# KiCad board demomatrix.kicad_pcb (continued)
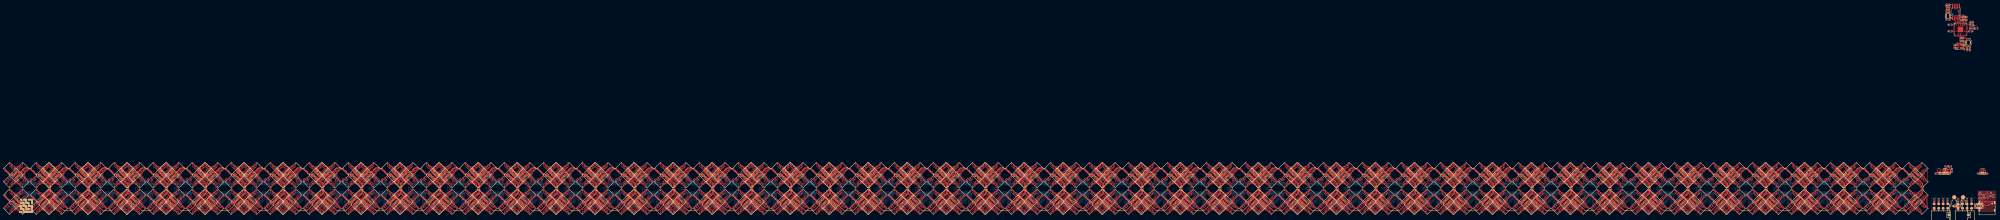
[diagram p0: board, top side]
## Routing (per net, layer and track width the routed paths; a pad name or vN(x,y) marks a point on that pad's centre or on a via; arc(x,y) is an arc through that point) (continued)
rgbs[2]-anodes-anode-416: length 9.5
  Top w0.2: LED531.4 -502.26,17.77 -502.88,17.77 -504.55,19.44 -504.55,19.69 -503.87,20.36 -503.87,20.82 -504.55,21.5 -504.55,21.75 -503.07,23.22 -502.43,23.22 -502.42,23.22 -502.07,23.22 LED530.3
rgbs[2]-anodes-anode-417: length 12.3
  Top w0.2: -501.51,17.12 -502.79,17.12 -504.95,19.28 -504.95,19.86 -504.27,20.53 -504.27,20.66 -504.95,21.33 -504.95,21.91 -502.78,24.08 -501.23,24.08 LED530.1
rgbs[2]-anodes-anode-418: length 3.7
  Top w0.2: LED530.5 -502.72,22.18 -502.72,21.16 -503.07,20.81 -503.07,20.37 -502.72,20.02 -502.72,19.02 LED531.6
rgbs[2]-anodes-anode-419: length 1.8
  Top w0.2: LED530.7 -503.47,21.23 -503.47,19.96 LED531.8
rgbs[2]-anodes-anode-420: length 9.5
  Top w0.2: LED535.4 -487.26,17.77 -487.88,17.77 -489.55,19.44 -489.55,19.69 -488.87,20.36 -488.87,20.82 -489.55,21.5 -489.55,21.75 -488.07,23.22 -487.43,23.22 -487.42,23.22 -487.07,23.22 LED534.3
rgbs[2]-anodes-anode-421: length 19.4
  Top w0.2: -486.51,17.12 -487.79,17.12 -489.95,19.28 -489.95,19.86 -489.27,20.53 -489.27,20.66 -489.95,21.33 -489.95,21.91 -487.78,24.08 -486.23,24.08 LED534.1 -485.73,23.58 -485.73,17.61 LED535.2
rgbs[2]-anodes-anode-422: length 3.7
  Top w0.2: LED535.6 -487.72,19.02 -487.72,20.02 -488.07,20.37 -488.07,20.81 -487.72,21.16 -487.72,22.18 LED534.5
rgbs[2]-anodes-anode-423: length 1.8
  Top w0.2: LED534.7 -488.47,21.23 -488.47,19.96 LED535.8
rgbs[2]-anodes-anode-424: length 9.5
  Top w0.2: LED539.4 -502.26,2.77 -502.88,2.77 -504.55,4.44 -504.55,4.69 -503.87,5.36 -503.87,5.82 -504.55,6.5 -504.55,6.75 -503.07,8.22 -502.43,8.22 -502.42,8.22 -502.07,8.22 LED538.3
rgbs[2]-anodes-anode-425: length 12.3
  Top w0.2: LED538.1 -501.23,9.08 -502.78,9.08 -504.95,6.91 -504.95,6.33 -504.27,5.66 -504.27,5.53 -504.95,4.86 -504.95,4.28 -502.79,2.12 -501.51,2.12
rgbs[2]-anodes-anode-426: length 3.7
  Top w0.2: LED539.6 -502.72,4.02 -502.72,5.02 -503.07,5.37 -503.07,5.81 -502.72,6.16 -502.72,7.18 LED538.5
rgbs[2]-anodes-anode-427: length 1.8
  Top w0.2: LED538.7 -503.47,6.23 -503.47,4.96 LED539.8
rgbs[2]-anodes-anode-428: length 14.9
  Top w0.2: -487.07,8.22 LED542.3 -486.58,7.73 -486.58,3.46 LED543.4 -487.26,2.77 -487.88,2.77 -489.55,4.44 -489.55,4.69 -488.87,5.36 -488.87,5.82 -489.55,6.5 -489.55,6.75 -488.07,8.22 -487.43,8.22 -487.42,8.22 -487.07,8.22
rgbs[2]-anodes-anode-429: length 19.4
  Top w0.2: -486.51,2.12 -487.79,2.12 -489.95,4.28 -489.95,4.86 -489.27,5.53 -489.27,5.66 -489.95,6.33 -489.95,6.91 -487.78,9.08 -486.23,9.08 LED542.1 -485.73,8.58 -485.73,2.61 LED543.2
rgbs[2]-anodes-anode-430: length 3.7
  Top w0.2: LED543.6 -487.72,4.02 -487.72,5.02 -488.07,5.37 -488.07,5.81 -487.72,6.16 -487.72,7.18 LED542.5
rgbs[2]-anodes-anode-431: length 1.8
  Top w0.2: LED543.8 -488.47,4.96 -488.47,6.23 LED542.7
rgbs[2]-anodes-anode-432: length 9.5
  Top w0.2: LED547.4 -480.26,17.77 -480.88,17.77 -482.55,19.44 -482.55,19.69 -481.87,20.36 -481.87,20.82 -482.55,21.5 -482.55,21.75 -481.07,23.22 -480.43,23.22 -480.42,23.22 -480.07,23.22 LED546.3
rgbs[2]-anodes-anode-433: length 12.3
  Top w0.2: LED546.1 -479.23,24.08 -480.78,24.08 -482.95,21.91 -482.95,21.33 -482.27,20.66 -482.27,20.53 -482.95,19.86 -482.95,19.28 -480.79,17.12 -479.51,17.12
rgbs[2]-anodes-anode-434: length 3.7
  Top w0.2: LED546.5 -480.72,22.18 -480.72,21.16 -481.07,20.81 -481.07,20.37 -480.72,20.02 -480.72,19.02 LED547.6
rgbs[2]-anodes-anode-435: length 1.8
  Top w0.2: LED546.7 -481.47,21.23 -481.47,19.96 LED547.8
rgbs[2]-anodes-anode-436: length 9.5
  Top w0.2: LED550.3 -465.07,23.22 -465.42,23.22 -465.43,23.22 -466.07,23.22 -467.55,21.75 -467.55,21.5 -466.87,20.82 -466.87,20.36 -467.55,19.69 -467.55,19.44 -465.88,17.77 -465.26,17.77 LED551.4
rgbs[2]-anodes-anode-437: length 19.4
  Top w0.2: LED551.2 -463.73,17.61 -463.73,23.58 LED550.1 -464.23,24.08 -465.78,24.08 -467.95,21.91 -467.95,21.33 -467.27,20.66 -467.27,20.53 -467.95,19.86 -467.95,19.28 -465.79,17.12 -464.51,17.12
rgbs[2]-anodes-anode-438: length 3.7
  Top w0.2: LED551.6 -465.72,19.02 -465.72,20.02 -466.07,20.37 -466.07,20.81 -465.72,21.16 -465.72,22.18 LED550.5
rgbs[2]-anodes-anode-439: length 1.8
  Top w0.2: LED551.8 -466.47,19.96 -466.47,21.23 LED550.7
rgbs[2]-anodes-anode-440: length 9.5
  Top w0.2: LED555.4 -480.26,2.77 -480.88,2.77 -482.55,4.44 -482.55,4.69 -481.87,5.36 -481.87,5.82 -482.55,6.5 -482.55,6.75 -481.07,8.22 -480.43,8.22 -480.42,8.22 -480.07,8.22 LED554.3
rgbs[2]-anodes-anode-441: length 12.3
  Top w0.2: -479.51,2.12 -480.79,2.12 -482.95,4.28 -482.95,4.86 -482.27,5.53 -482.27,5.66 -482.95,6.33 -482.95,6.91 -480.78,9.08 -479.23,9.08 LED554.1
rgbs[2]-anodes-anode-442: length 3.7
  Top w0.2: LED555.6 -480.72,4.02 -480.72,5.02 -481.07,5.37 -481.07,5.81 -480.72,6.16 -480.72,7.18 LED554.5
rgbs[2]-anodes-anode-443: length 1.8
  Top w0.2: LED555.8 -481.47,4.96 -481.47,6.23 LED554.7
rgbs[2]-anodes-anode-444: length 14.9
  Top w0.2: -466.07,8.22 -465.43,8.22 -465.42,8.22 -465.07,8.22 LED558.3 -464.58,7.73 -464.58,3.46 LED559.4 -465.26,2.77 -465.88,2.77 -467.55,4.44 -467.55,4.69 -466.87,5.36 -466.87,5.82 -467.55,6.5 -467.55,6.75 -466.07,8.22
rgbs[2]-anodes-anode-445: length 19.4
  Top w0.2: LED559.2 -463.73,2.61 -463.73,8.58 LED558.1 -464.23,9.08 -465.78,9.08 -467.95,6.91 -467.95,6.33 -467.27,5.66 -467.27,5.53 -467.95,4.86 -467.95,4.28 -465.79,2.12 -464.51,2.12
rgbs[2]-anodes-anode-446: length 3.7
  Top w0.2: LED558.5 -465.72,7.18 -465.72,6.16 -466.07,5.81 -466.07,5.37 -465.72,5.02 -465.72,4.02 LED559.6
rgbs[2]-anodes-anode-447: length 1.8
  Top w0.2: LED558.7 -466.47,6.23 -466.47,4.96 LED559.8
rgbs[2]-anodes-anode-448: length 9.5
  Top w0.2: LED562.3 -458.07,23.22 -458.42,23.22 -458.43,23.22 -459.07,23.22 -460.55,21.75 -460.55,21.5 -459.87,20.82 -459.87,20.36 -460.55,19.69 -460.55,19.44 -458.88,17.77 -458.26,17.77 LED563.4
rgbs[2]-anodes-anode-449: length 12.3
  Top w0.2: LED562.1 -457.23,24.08 -458.78,24.08 -460.95,21.91 -460.95,21.33 -460.27,20.66 -460.27,20.53 -460.95,19.86 -460.95,19.28 -458.79,17.12 -457.51,17.12
rgbs[2]-anodes-anode-450: length 3.7
  Top w0.2: LED562.5 -458.72,22.18 -458.72,21.16 -459.07,20.81 -459.07,20.37 -458.72,20.02 -458.72,19.02 LED563.6
rgbs[2]-anodes-anode-451: length 1.8
  Top w0.2: LED563.8 -459.47,19.96 -459.47,21.23 LED562.7
rgbs[2]-anodes-anode-452: length 9.5
  Top w0.2: LED567.4 -443.26,17.77 -443.88,17.77 -445.55,19.44 -445.55,19.69 -444.87,20.36 -444.87,20.82 -445.55,21.5 -445.55,21.75 -444.07,23.22 -443.43,23.22 -443.42,23.22 -443.07,23.22 LED566.3
rgbs[2]-anodes-anode-453: length 19.4
  Top w0.2: LED567.2 -441.73,17.61 -441.73,23.58 LED566.1 -442.23,24.08 -443.78,24.08 -445.95,21.91 -445.95,21.33 -445.27,20.66 -445.27,20.53 -445.95,19.86 -445.95,19.28 -443.79,17.12 -442.51,17.12
rgbs[2]-anodes-anode-454: length 3.7
  Top w0.2: LED567.6 -443.72,19.02 -443.72,20.02 -444.07,20.37 -444.07,20.81 -443.72,21.16 -443.72,22.18 LED566.5
rgbs[2]-anodes-anode-455: length 1.8
  Top w0.2: LED566.7 -444.47,21.23 -444.47,19.96 LED567.8
rgbs[2]-anodes-anode-456: length 9.5
  Top w0.2: LED570.3 -458.07,8.22 -458.42,8.22 -458.43,8.22 -459.07,8.22 -460.55,6.75 -460.55,6.5 -459.87,5.82 -459.87,5.36 -460.55,4.69 -460.55,4.44 -458.88,2.77 -458.26,2.77 LED571.4
rgbs[2]-anodes-anode-457: length 12.3
  Top w0.2: LED570.1 -457.23,9.08 -458.78,9.08 -460.95,6.91 -460.95,6.33 -460.27,5.66 -460.27,5.53 -460.95,4.86 -460.95,4.28 -458.79,2.12 -457.51,2.12
rgbs[2]-anodes-anode-458: length 3.7
  Top w0.2: LED570.5 -458.72,7.18 -458.72,6.16 -459.07,5.81 -459.07,5.37 -458.72,5.02 -458.72,4.02 LED571.6
rgbs[2]-anodes-anode-459: length 1.8
  Top w0.2: LED571.8 -459.47,4.96 -459.47,6.23 LED570.7
rgbs[2]-anodes-anode-460: length 14.9
  Top w0.2: -444.07,8.22 -443.43,8.22 -443.42,8.22 -443.07,8.22 LED574.3 -442.58,7.73 -442.58,3.46 LED575.4 -443.26,2.77 -443.88,2.77 -445.55,4.44 -445.55,4.69 -444.87,5.36 -444.87,5.82 -445.55,6.5 -445.55,6.75 -444.07,8.22
rgbs[2]-anodes-anode-461: length 19.4
  Top w0.2: -442.51,2.12 -443.79,2.12 -445.95,4.28 -445.95,4.86 -445.27,5.53 -445.27,5.66 -445.95,6.33 -445.95,6.91 -443.78,9.08 -442.23,9.08 LED574.1 -441.73,8.58 -441.73,2.61 LED575.2
rgbs[2]-anodes-anode-462: length 3.7
  Top w0.2: LED575.6 -443.72,4.02 -443.72,5.02 -444.07,5.37 -444.07,5.81 -443.72,6.16 -443.72,7.18 LED574.5
rgbs[2]-anodes-anode-463: length 1.8
  Top w0.2: LED575.8 -444.47,4.96 -444.47,6.23 LED574.7
rgbs[2]-anodes-anode-464: length 9.5
  Top w0.2: LED578.3 -436.07,23.22 -436.42,23.22 -436.43,23.22 -437.07,23.22 -438.55,21.75 -438.55,21.5 -437.87,20.82 -437.87,20.36 -438.55,19.69 -438.55,19.44 -436.88,17.77 -436.26,17.77 LED579.4
rgbs[2]-anodes-anode-465: length 12.3
  Top w0.2: -435.51,17.12 -436.79,17.12 -438.95,19.28 -438.95,19.86 -438.27,20.53 -438.27,20.66 -438.95,21.33 -438.95,21.91 -436.78,24.08 -435.23,24.08 LED578.1
rgbs[2]-anodes-anode-466: length 3.7
  Top w0.2: LED578.5 -436.72,22.18 -436.72,21.16 -437.07,20.81 -437.07,20.37 -436.72,20.02 -436.72,19.02 LED579.6
rgbs[2]-anodes-anode-467: length 1.8
  Top w0.2: LED578.7 -437.47,21.23 -437.47,19.96 LED579.8
rgbs[2]-anodes-anode-468: length 9.5
  Top w0.2: LED582.3 -421.07,23.22 -421.42,23.22 -421.43,23.22 -422.07,23.22 -423.55,21.75 -423.55,21.5 -422.87,20.82 -422.87,20.36 -423.55,19.69 -423.55,19.44 -421.88,17.77 -421.26,17.77 LED583.4
rgbs[2]-anodes-anode-469: length 19.4
  Top w0.2: -420.51,17.12 -421.79,17.12 -423.95,19.28 -423.95,19.86 -423.27,20.53 -423.27,20.66 -423.95,21.33 -423.95,21.91 -421.78,24.08 -420.23,24.08 LED582.1 -419.73,23.58 -419.73,17.61 LED583.2
rgbs[2]-anodes-anode-470: length 3.7
  Top w0.2: LED583.6 -421.72,19.02 -421.72,20.02 -422.07,20.37 -422.07,20.81 -421.72,21.16 -421.72,22.18 LED582.5
rgbs[2]-anodes-anode-471: length 1.8
  Top w0.2: LED582.7 -422.47,21.23 -422.47,19.96 LED583.8
rgbs[2]-anodes-anode-472: length 9.5
  Top w0.2: LED587.4 -436.26,2.77 -436.88,2.77 -438.55,4.44 -438.55,4.69 -437.87,5.36 -437.87,5.82 -438.55,6.5 -438.55,6.75 -437.07,8.22 -436.43,8.22 -436.42,8.22 -436.07,8.22 LED586.3
rgbs[2]-anodes-anode-473: length 12.3
  Top w0.2: LED586.1 -435.23,9.08 -436.78,9.08 -438.95,6.91 -438.95,6.33 -438.27,5.66 -438.27,5.53 -438.95,4.86 -438.95,4.28 -436.79,2.12 -435.51,2.12
rgbs[2]-anodes-anode-474: length 3.7
  Top w0.2: LED587.6 -436.72,4.02 -436.72,5.02 -437.07,5.37 -437.07,5.81 -436.72,6.16 -436.72,7.18 LED586.5
rgbs[2]-anodes-anode-475: length 1.8
  Top w0.2: LED587.8 -437.47,4.96 -437.47,6.23 LED586.7
rgbs[2]-anodes-anode-476: length 14.9
  Top w0.2: -420.58,3.46 LED591.4 -421.26,2.77 -421.88,2.77 -423.55,4.44 -423.55,4.69 -422.87,5.36 -422.87,5.82 -423.55,6.5 -423.55,6.75 -422.07,8.22 -421.43,8.22 -421.42,8.22 -421.07,8.22 LED590.3 -420.58,7.73 -420.58,3.46
rgbs[2]-anodes-anode-477: length 19.4
  Top w0.2: -420.51,2.12 -421.79,2.12 -423.95,4.28 -423.95,4.86 -423.27,5.53 -423.27,5.66 -423.95,6.33 -423.95,6.91 -421.78,9.08 -420.23,9.08 LED590.1 -419.73,8.58 -419.73,2.61 LED591.2
rgbs[2]-anodes-anode-478: length 3.7
  Top w0.2: LED591.6 -421.72,4.02 -421.72,5.02 -422.07,5.37 -422.07,5.81 -421.72,6.16 -421.72,7.18 LED590.5
rgbs[2]-anodes-anode-479: length 1.8
  Top w0.2: LED590.7 -422.47,6.23 -422.47,4.96 LED591.8
rgbs[2]-anodes-anode-480: length 9.5
  Top w0.2: LED595.4 -414.26,17.77 -414.88,17.77 -416.55,19.44 -416.55,19.69 -415.87,20.36 -415.87,20.82 -416.55,21.5 -416.55,21.75 -415.07,23.22 -414.43,23.22 -414.42,23.22 -414.07,23.22 LED594.3
rgbs[2]-anodes-anode-481: length 12.3
  Top w0.2: -413.51,17.12 -414.79,17.12 -416.95,19.28 -416.95,19.86 -416.27,20.53 -416.27,20.66 -416.95,21.33 -416.95,21.91 -414.78,24.08 -413.23,24.08 LED594.1
rgbs[2]-anodes-anode-482: length 3.7
  Top w0.2: LED595.6 -414.72,19.02 -414.72,20.02 -415.07,20.37 -415.07,20.81 -414.72,21.16 -414.72,22.18 LED594.5
rgbs[2]-anodes-anode-483: length 1.8
  Top w0.2: LED595.8 -415.47,19.96 -415.47,21.23 LED594.7
rgbs[2]-anodes-anode-484: length 9.5
  Top w0.2: LED599.4 -399.26,17.77 -399.88,17.77 -401.55,19.44 -401.55,19.69 -400.87,20.36 -400.87,20.82 -401.55,21.5 -401.55,21.75 -400.07,23.22 -399.43,23.22 -399.42,23.22 -399.07,23.22 LED598.3
rgbs[2]-anodes-anode-485: length 19.4
  Top w0.2: -398.51,17.12 -399.79,17.12 -401.95,19.28 -401.95,19.86 -401.27,20.53 -401.27,20.66 -401.95,21.33 -401.95,21.91 -399.78,24.08 -398.23,24.08 LED598.1 -397.73,23.58 -397.73,17.61 LED599.2
rgbs[2]-anodes-anode-486: length 3.7
  Top w0.2: LED599.6 -399.72,19.02 -399.72,20.02 -400.07,20.37 -400.07,20.81 -399.72,21.16 -399.72,22.18 LED598.5
rgbs[2]-anodes-anode-487: length 1.8
  Top w0.2: LED599.8 -400.47,19.96 -400.47,21.23 LED598.7
rgbs[2]-anodes-anode-488: length 9.5
  Top w0.2: LED603.4 -414.26,2.77 -414.88,2.77 -416.55,4.44 -416.55,4.69 -415.87,5.36 -415.87,5.82 -416.55,6.5 -416.55,6.75 -415.07,8.22 -414.43,8.22 -414.42,8.22 -414.07,8.22 LED602.3
rgbs[2]-anodes-anode-489: length 12.3
  Top w0.2: -413.51,2.12 -414.79,2.12 -416.95,4.28 -416.95,4.86 -416.27,5.53 -416.27,5.66 -416.95,6.33 -416.95,6.91 -414.78,9.08 -413.23,9.08 LED602.1
rgbs[2]-anodes-anode-490: length 3.7
  Top w0.2: LED603.6 -414.72,4.02 -414.72,5.02 -415.07,5.37 -415.07,5.81 -414.72,6.16 -414.72,7.18 LED602.5
rgbs[2]-anodes-anode-491: length 1.8
  Top w0.2: LED602.7 -415.47,6.23 -415.47,4.96 LED603.8
rgbs[2]-anodes-anode-492: length 14.9
  Top w0.2: -399.26,2.77 -399.88,2.77 -401.55,4.44 -401.55,4.69 -400.87,5.36 -400.87,5.82 -401.55,6.5 -401.55,6.75 -400.07,8.22 -399.43,8.22 -399.42,8.22 -399.07,8.22 LED606.3 -398.58,7.73 -398.58,3.46 LED607.4 -399.26,2.77
rgbs[2]-anodes-anode-493: length 19.4
  Top w0.2: -398.51,2.12 -399.79,2.12 -401.95,4.28 -401.95,4.86 -401.27,5.53 -401.27,5.66 -401.95,6.33 -401.95,6.91 -399.78,9.08 -398.23,9.08 LED606.1 -397.73,8.58 -397.73,2.61 LED607.2
rgbs[2]-anodes-anode-494: length 3.7
  Top w0.2: LED607.6 -399.72,4.02 -399.72,5.02 -400.07,5.37 -400.07,5.81 -399.72,6.16 -399.72,7.18 LED606.5
rgbs[2]-anodes-anode-495: length 1.8
  Top w0.2: LED606.7 -400.47,6.23 -400.47,4.96 LED607.8
rgbs[2]-anodes-anode-496: length 9.5
  Top w0.2: LED610.3 -392.07,23.22 -392.42,23.22 -392.43,23.22 -393.07,23.22 -394.55,21.75 -394.55,21.5 -393.87,20.82 -393.87,20.36 -394.55,19.69 -394.55,19.44 -392.88,17.77 -392.26,17.77 LED611.4
rgbs[2]-anodes-anode-497: length 12.3
  Top w0.2: LED610.1 -391.23,24.08 -392.78,24.08 -394.95,21.91 -394.95,21.33 -394.27,20.66 -394.27,20.53 -394.95,19.86 -394.95,19.28 -392.79,17.12 -391.51,17.12
rgbs[2]-anodes-anode-498: length 3.7
  Top w0.2: LED611.6 -392.72,19.02 -392.72,20.02 -393.07,20.37 -393.07,20.81 -392.72,21.16 -392.72,22.18 LED610.5
rgbs[2]-anodes-anode-499: length 1.8
  Top w0.2: LED610.7 -393.47,21.23 -393.47,19.96 LED611.8
rgbs[2]-anodes-anode-500: length 9.5
  Top w0.2: LED615.4 -377.26,17.77 -377.88,17.77 -379.55,19.44 -379.55,19.69 -378.87,20.36 -378.87,20.82 -379.55,21.5 -379.55,21.75 -378.07,23.22 -377.43,23.22 -377.42,23.22 -377.07,23.22 LED614.3
rgbs[2]-anodes-anode-501: length 19.4
  Top w0.2: -376.51,17.12 -377.79,17.12 -379.95,19.28 -379.95,19.86 -379.27,20.53 -379.27,20.66 -379.95,21.33 -379.95,21.91 -377.78,24.08 -376.23,24.08 LED614.1 -375.73,23.58 -375.73,17.61 LED615.2
rgbs[2]-anodes-anode-502: length 3.7
  Top w0.2: LED615.6 -377.72,19.02 -377.72,20.02 -378.07,20.37 -378.07,20.81 -377.72,21.16 -377.72,22.18 LED614.5
rgbs[2]-anodes-anode-503: length 1.8
  Top w0.2: LED615.8 -378.47,19.96 -378.47,21.23 LED614.7
rgbs[2]-anodes-anode-504: length 9.5
  Top w0.2: LED618.3 -392.07,8.22 -392.42,8.22 -392.43,8.22 -393.07,8.22 -394.55,6.75 -394.55,6.5 -393.87,5.82 -393.87,5.36 -394.55,4.69 -394.55,4.44 -392.88,2.77 -392.26,2.77 LED619.4
rgbs[2]-anodes-anode-505: length 12.3
  Top w0.2: LED618.1 -391.23,9.08 -392.78,9.08 -394.95,6.91 -394.95,6.33 -394.27,5.66 -394.27,5.53 -394.95,4.86 -394.95,4.28 -392.79,2.12 -391.51,2.12
rgbs[2]-anodes-anode-506: length 3.7
  Top w0.2: LED619.6 -392.72,4.02 -392.72,5.02 -393.07,5.37 -393.07,5.81 -392.72,6.16 -392.72,7.18 LED618.5
rgbs[2]-anodes-anode-507: length 1.8
  Top w0.2: LED619.8 -393.47,4.96 -393.47,6.23 LED618.7
rgbs[2]-anodes-anode-508: length 14.9
  Top w0.2: -376.58,3.46 LED623.4 -377.26,2.77 -377.88,2.77 -379.55,4.44 -379.55,4.69 -378.87,5.36 -378.87,5.82 -379.55,6.5 -379.55,6.75 -378.07,8.22 -377.43,8.22 -377.42,8.22 -377.07,8.22 LED622.3 -376.58,7.73 -376.58,3.46
rgbs[2]-anodes-anode-509: length 19.4
  Top w0.2: -376.51,2.12 -377.79,2.12 -379.95,4.28 -379.95,4.86 -379.27,5.53 -379.27,5.66 -379.95,6.33 -379.95,6.91 -377.78,9.08 -376.23,9.08 LED622.1 -375.73,8.58 -375.73,2.61 LED623.2
rgbs[2]-anodes-anode-510: length 3.7
  Top w0.2: LED622.5 -377.72,7.18 -377.72,6.16 -378.07,5.81 -378.07,5.37 -377.72,5.02 -377.72,4.02 LED623.6
rgbs[2]-anodes-anode-511: length 1.8
  Top w0.2: LED622.7 -378.47,6.23 -378.47,4.96 LED623.8
rgbs[2]-anodes-anode-512: length 9.5
  Top w0.2: LED627.4 -370.26,17.77 -370.88,17.77 -372.55,19.44 -372.55,19.69 -371.87,20.36 -371.87,20.82 -372.55,21.5 -372.55,21.75 -371.07,23.22 -370.43,23.22 -370.42,23.22 -370.07,23.22 LED626.3
rgbs[2]-anodes-anode-513: length 12.3
  Top w0.2: -369.51,17.12 -370.79,17.12 -372.95,19.28 -372.95,19.86 -372.27,20.53 -372.27,20.66 -372.95,21.33 -372.95,21.91 -370.78,24.08 -369.23,24.08 LED626.1
rgbs[2]-anodes-anode-514: length 3.7
  Top w0.2: LED627.6 -370.72,19.02 -370.72,20.02 -371.07,20.37 -371.07,20.81 -370.72,21.16 -370.72,22.18 LED626.5
rgbs[2]-anodes-anode-515: length 1.8
  Top w0.2: LED626.7 -371.47,21.23 -371.47,19.96 LED627.8
rgbs[2]-anodes-anode-516: length 9.5
  Top w0.2: LED631.4 -355.26,17.77 -355.88,17.77 -357.55,19.44 -357.55,19.69 -356.87,20.36 -356.87,20.82 -357.55,21.5 -357.55,21.75 -356.07,23.22 -355.43,23.22 -355.42,23.22 -355.07,23.22 LED630.3
rgbs[2]-anodes-anode-517: length 19.4
  Top w0.2: LED631.2 -353.73,17.61 -353.73,23.58 LED630.1 -354.23,24.08 -355.78,24.08 -357.95,21.91 -357.95,21.33 -357.27,20.66 -357.27,20.53 -357.95,19.86 -357.95,19.28 -355.79,17.12 -354.51,17.12
rgbs[2]-anodes-anode-518: length 3.7
  Top w0.2: LED630.5 -355.72,22.18 -355.72,21.16 -356.07,20.81 -356.07,20.37 -355.72,20.02 -355.72,19.02 LED631.6
rgbs[2]-anodes-anode-519: length 1.8
  Top w0.2: LED631.8 -356.47,19.96 -356.47,21.23 LED630.7
rgbs[2]-anodes-anode-520: length 9.5
  Top w0.2: LED634.3 -370.07,8.22 -370.42,8.22 -370.43,8.22 -371.07,8.22 -372.55,6.75 -372.55,6.5 -371.87,5.82 -371.87,5.36 -372.55,4.69 -372.55,4.44 -370.88,2.77 -370.26,2.77 LED635.4
rgbs[2]-anodes-anode-521: length 12.3
  Top w0.2: -369.51,2.12 -370.79,2.12 -372.95,4.28 -372.95,4.86 -372.27,5.53 -372.27,5.66 -372.95,6.33 -372.95,6.91 -370.78,9.08 -369.23,9.08 LED634.1
rgbs[2]-anodes-anode-522: length 3.7
  Top w0.2: LED635.6 -370.72,4.02 -370.72,5.02 -371.07,5.37 -371.07,5.81 -370.72,6.16 -370.72,7.18 LED634.5
rgbs[2]-anodes-anode-523: length 1.8
  Top w0.2: LED634.7 -371.47,6.23 -371.47,4.96 LED635.8
rgbs[2]-anodes-anode-524: length 14.9
  Top w0.2: -355.07,8.22 LED638.3 -354.58,7.73 -354.58,3.46 LED639.4 -355.26,2.77 -355.88,2.77 -357.55,4.44 -357.55,4.69 -356.87,5.36 -356.87,5.82 -357.55,6.5 -357.55,6.75 -356.07,8.22 -355.43,8.22 -355.42,8.22 -355.07,8.22
rgbs[2]-anodes-anode-525: length 19.4
  Top w0.2: LED639.2 -353.73,2.61 -353.73,8.58 LED638.1 -354.23,9.08 -355.78,9.08 -357.95,6.91 -357.95,6.33 -357.27,5.66 -357.27,5.53 -357.95,4.86 -357.95,4.28 -355.79,2.12 -354.51,2.12
rgbs[2]-anodes-anode-526: length 3.7
  Top w0.2: LED638.5 -355.72,7.18 -355.72,6.16 -356.07,5.81 -356.07,5.37 -355.72,5.02 -355.72,4.02 LED639.6
rgbs[2]-anodes-anode-527: length 1.8
  Top w0.2: LED638.7 -356.47,6.23 -356.47,4.96 LED639.8
rgbs[2]-anodes-anode-528: length 9.5
  Top w0.2: LED51.4 -348.26,17.77 -348.88,17.77 -350.55,19.44 -350.55,19.69 -349.87,20.36 -349.87,20.82 -350.55,21.5 -350.55,21.75 -349.07,23.22 -348.43,23.22 -348.42,23.22 -348.07,23.22 LED50.3
rgbs[2]-anodes-anode-529: length 12.3
  Top w0.2: -347.51,17.12 -348.79,17.12 -350.95,19.28 -350.95,19.86 -350.27,20.53 -350.27,20.66 -350.95,21.33 -350.95,21.91 -348.78,24.08 -347.23,24.08 LED50.1
rgbs[2]-anodes-anode-530: length 3.7
  Top w0.2: LED51.6 -348.72,19.02 -348.72,20.02 -349.07,20.37 -349.07,20.81 -348.72,21.16 -348.72,22.18 LED50.5
rgbs[2]-anodes-anode-531: length 1.8
  Top w0.2: LED50.7 -349.47,21.23 -349.47,19.96 LED51.8
rgbs[2]-anodes-anode-532: length 9.5
  Top w0.2: LED54.3 -333.07,23.22 -333.42,23.22 -333.43,23.22 -334.07,23.22 -335.55,21.75 -335.55,21.5 -334.87,20.82 -334.87,20.36 -335.55,19.69 -335.55,19.44 -333.88,17.77 -333.26,17.77 LED55.4
rgbs[2]-anodes-anode-533: length 19.4
  Top w0.2: LED55.2 -331.73,17.61 -331.73,23.58 LED54.1 -332.23,24.08 -333.78,24.08 -335.95,21.91 -335.95,21.33 -335.27,20.66 -335.27,20.53 -335.95,19.86 -335.95,19.28 -333.79,17.12 -332.51,17.12
rgbs[2]-anodes-anode-534: length 3.7
  Top w0.2: LED55.6 -333.72,19.02 -333.72,20.02 -334.07,20.37 -334.07,20.81 -333.72,21.16 -333.72,22.18 LED54.5
rgbs[2]-anodes-anode-535: length 1.8
  Top w0.2: LED54.7 -334.47,21.23 -334.47,19.96 LED55.8
rgbs[2]-anodes-anode-536: length 9.5
  Top w0.2: LED58.3 -348.07,8.22 -348.42,8.22 -348.43,8.22 -349.07,8.22 -350.55,6.75 -350.55,6.5 -349.87,5.82 -349.87,5.36 -350.55,4.69 -350.55,4.44 -348.88,2.77 -348.26,2.77 LED59.4
rgbs[2]-anodes-anode-537: length 12.3
  Top w0.2: -347.51,2.12 -348.79,2.12 -350.95,4.28 -350.95,4.86 -350.27,5.53 -350.27,5.66 -350.95,6.33 -350.95,6.91 -348.78,9.08 -347.23,9.08 LED58.1
rgbs[2]-anodes-anode-538: length 3.7
  Top w0.2: LED58.5 -348.72,7.18 -348.72,6.16 -349.07,5.81 -349.07,5.37 -348.72,5.02 -348.72,4.02 LED59.6
rgbs[2]-anodes-anode-539: length 1.8
  Top w0.2: LED58.7 -349.47,6.23 -349.47,4.96 LED59.8
rgbs[2]-anodes-anode-540: length 14.9
  Top w0.2: -333.42,8.22 -333.07,8.22 LED62.3 -332.58,7.73 -332.58,3.46 LED63.4 -333.26,2.77 -333.88,2.77 -335.55,4.44 -335.55,4.69 -334.87,5.36 -334.87,5.82 -335.55,6.5 -335.55,6.75 -334.07,8.22 -333.43,8.22 -333.42,8.22
rgbs[2]-anodes-anode-541: length 19.4
  Top w0.2: LED63.2 -331.73,2.61 -331.73,8.58 LED62.1 -332.23,9.08 -333.78,9.08 -335.95,6.91 -335.95,6.33 -335.27,5.66 -335.27,5.53 -335.95,4.86 -335.95,4.28 -333.79,2.12 -332.51,2.12
rgbs[2]-anodes-anode-542: length 3.7
  Top w0.2: LED62.5 -333.72,7.18 -333.72,6.16 -334.07,5.81 -334.07,5.37 -333.72,5.02 -333.72,4.02 LED63.6
rgbs[2]-anodes-anode-543: length 1.8
  Top w0.2: LED62.7 -334.47,6.23 -334.47,4.96 LED63.8
rgbs[2]-anodes-anode-544: length 9.5
  Top w0.2: LED642.3 -326.07,23.22 -326.42,23.22 -326.43,23.22 -327.07,23.22 -328.55,21.75 -328.55,21.5 -327.87,20.82 -327.87,20.36 -328.55,19.69 -328.55,19.44 -326.88,17.77 -326.26,17.77 LED643.4
rgbs[2]-anodes-anode-545: length 12.3
  Top w0.2: -325.51,17.12 -326.79,17.12 -328.95,19.28 -328.95,19.86 -328.27,20.53 -328.27,20.66 -328.95,21.33 -328.95,21.91 -326.78,24.08 -325.23,24.08 LED642.1
rgbs[2]-anodes-anode-546: length 3.7
  Top w0.2: LED643.6 -326.72,19.02 -326.72,20.02 -327.07,20.37 -327.07,20.81 -326.72,21.16 -326.72,22.18 LED642.5
rgbs[2]-anodes-anode-547: length 1.8
  Top w0.2: LED643.8 -327.47,19.96 -327.47,21.23 LED642.7
rgbs[2]-anodes-anode-548: length 9.5
  Top w0.2: LED647.4 -311.26,17.77 -311.88,17.77 -313.55,19.44 -313.55,19.69 -312.87,20.36 -312.87,20.82 -313.55,21.5 -313.55,21.75 -312.07,23.22 -311.43,23.22 -311.42,23.22 -311.07,23.22 LED646.3
rgbs[2]-anodes-anode-549: length 19.4
  Top w0.2: -310.51,17.12 -311.79,17.12 -313.95,19.28 -313.95,19.86 -313.27,20.53 -313.27,20.66 -313.95,21.33 -313.95,21.91 -311.78,24.08 -310.23,24.08 LED646.1 -309.73,23.58 -309.73,17.61 LED647.2
rgbs[2]-anodes-anode-550: length 3.7
  Top w0.2: LED646.5 -311.72,22.18 -311.72,21.16 -312.07,20.81 -312.07,20.37 -311.72,20.02 -311.72,19.02 LED647.6
rgbs[2]-anodes-anode-551: length 1.8
  Top w0.2: LED646.7 -312.47,21.23 -312.47,19.96 LED647.8
rgbs[2]-anodes-anode-552: length 9.5
  Top w0.2: LED650.3 -326.07,8.22 -326.42,8.22 -326.43,8.22 -327.07,8.22 -328.55,6.75 -328.55,6.5 -327.87,5.82 -327.87,5.36 -328.55,4.69 -328.55,4.44 -326.88,2.77 -326.26,2.77 LED651.4
rgbs[2]-anodes-anode-553: length 12.3
  Top w0.2: LED650.1 -325.23,9.08 -326.78,9.08 -328.95,6.91 -328.95,6.33 -328.27,5.66 -328.27,5.53 -328.95,4.86 -328.95,4.28 -326.79,2.12 -325.51,2.12
rgbs[2]-anodes-anode-554: length 3.7
  Top w0.2: LED651.6 -326.72,4.02 -326.72,5.02 -327.07,5.37 -327.07,5.81 -326.72,6.16 -326.72,7.18 LED650.5
rgbs[2]-anodes-anode-555: length 1.8
  Top w0.2: LED651.8 -327.47,4.96 -327.47,6.23 LED650.7
rgbs[2]-anodes-anode-556: length 14.9
  Top w0.2: -313.55,6.5 -313.55,6.75 -312.07,8.22 -311.43,8.22 -311.42,8.22 -311.07,8.22 LED654.3 -310.58,7.73 -310.58,3.46 LED655.4 -311.26,2.77 -311.88,2.77 -313.55,4.44 -313.55,4.69 -312.87,5.36 -312.87,5.82 -313.55,6.5
rgbs[2]-anodes-anode-557: length 19.4
  Top w0.2: LED655.2 -309.73,2.61 -309.73,8.58 LED654.1 -310.23,9.08 -311.78,9.08 -313.95,6.91 -313.95,6.33 -313.27,5.66 -313.27,5.53 -313.95,4.86 -313.95,4.28 -311.79,2.12 -310.51,2.12
rgbs[2]-anodes-anode-558: length 3.7
  Top w0.2: LED655.6 -311.72,4.02 -311.72,5.02 -312.07,5.37 -312.07,5.81 -311.72,6.16 -311.72,7.18 LED654.5